# Altium PCB LeVentilateur.PcbDoc (part 2 of 2)
Units mm, origin at the board's own origin, x right, y up, seen from the top; angles counter-clockwise.
Board outline 207.39 x 152.65 mm, 2 copper layers (Top Layer, Bottom Layer); 178 components, 121 nets, 579 pads, 104 vias.
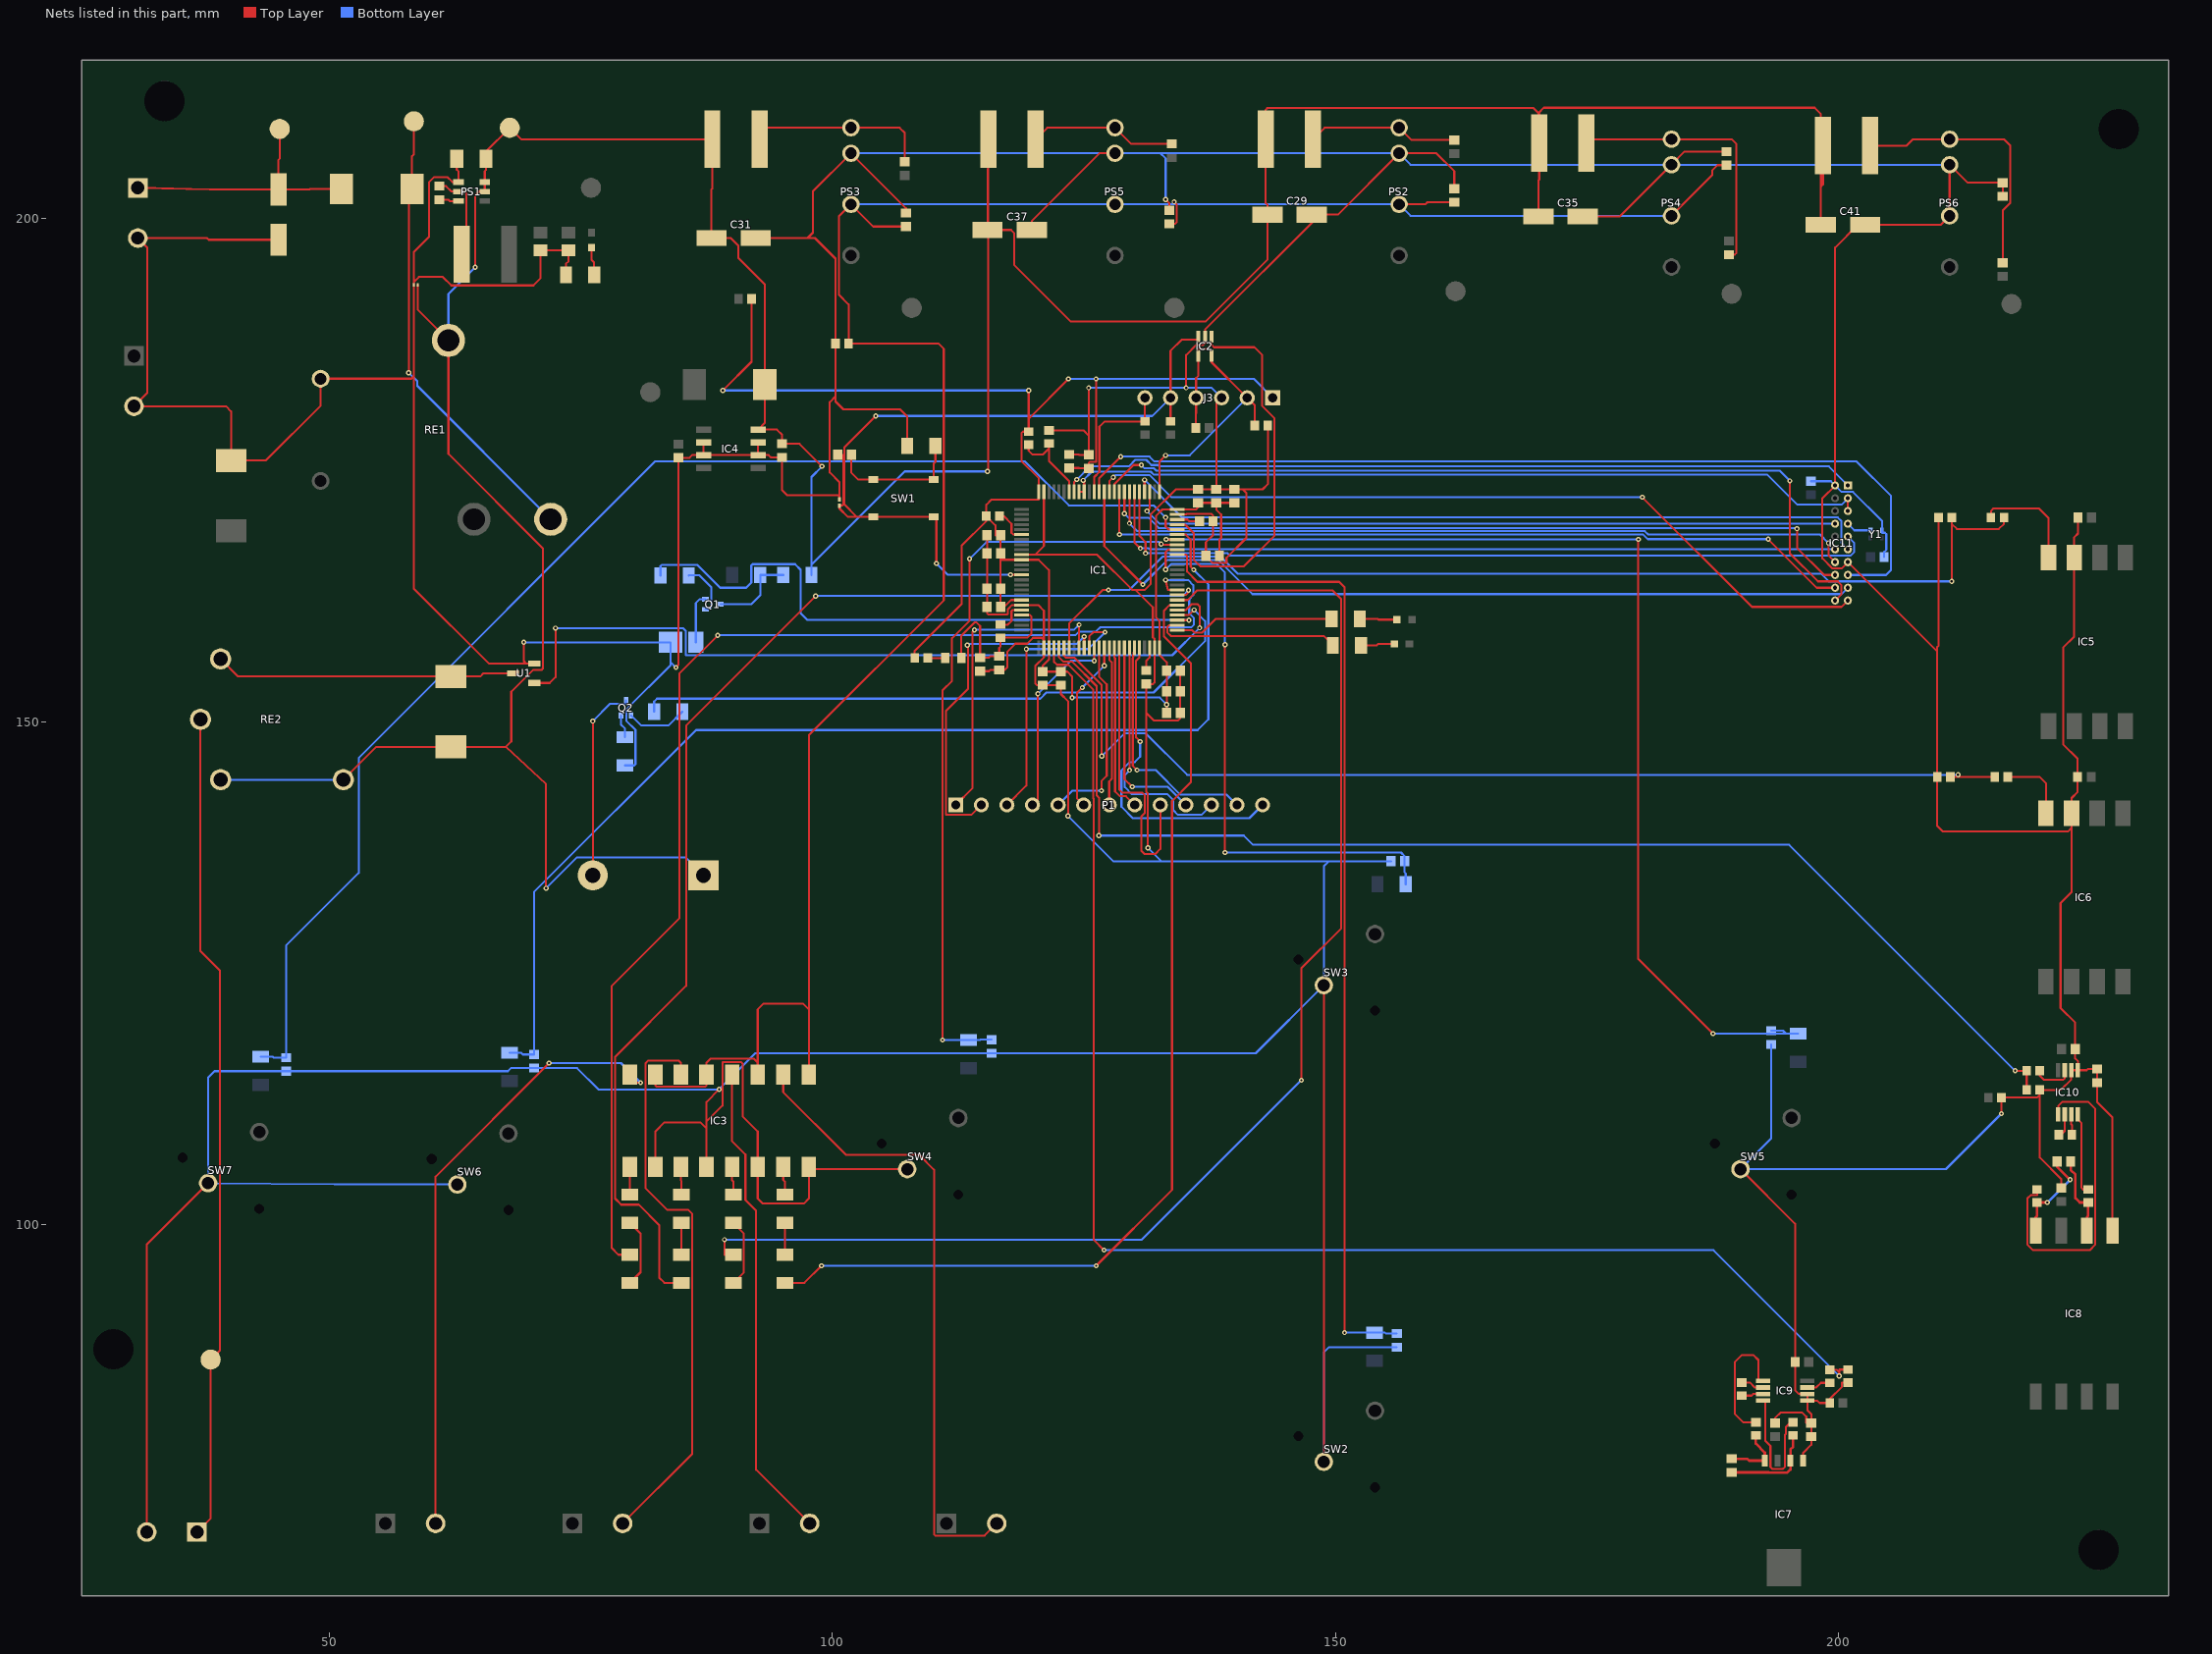
[diagram p2: the nets of this part, all layers, seen from the top]

## Via types
v1: diameter 0.508, hole 0.229, Top Layer to Bottom Layer, 104 vias

## Nets (pads, with @x,y where several pads share a name; then routed paths per layer and width w, separated by ;. In a path a pad name is that pad's centre, name@x,y a point inside that pad or via, vN(x,y) a via of type N, cw(c..) or ccw(c..) an arc to the next point about the centre after c; other vN are vias at no path point) (continued)
COM: C2.2 C3.1 C4.1 C5.1 C6.2 C7.2 C8.2 C9.2 C10.2 C11.2 C12.2 C13.2 C14.2 C15.2 C16.2 C17.2 C18.2 C19.2 C20.2 C21.2 C22.2 C23.1 C25.2 C26.2 C29.2 C30.1 C31.2 C33.1 C35.2 C36.1 C37.2 C38.1 C39.2 C41.2 C42.1 C42.2 C43.2 C44.2 C45.2 C46.1 C48.1 C48.2 C49.1 C51.1 C52.1 C52.2 C53.2 C54.2 C55.2 C56.2 C57.2 C58.2 C59.2 C60.2 D2.2 D3.2 D4.2 IC1.10 IC1.20 IC1.27 IC1.49 IC1.74 IC1.99 IC2.2 IC3.2 IC3.4 IC3.6 IC3.8 IC4.2 IC4.3 IC4.6 IC4.7 IC5.3 IC6.3 IC7.1 IC8.1 IC9.5 IC9.6 IC10.5 IC10.6 IC11.7 IC11.20 J1.2 J2.2 J3.3 J4.2 LED4.2 PS1.4 PS2.2 PS3.2 PS4.2 PS5.2 PS6.2 PS6.4 R1.1 R3.1 R17.2 R26.1 R27.1 R29.1 R31.1 R36.1 R37.2 R42.1 R43.2 R44.1 RE1.2 SW2.3 SW3.3 SW4.3 SW5.3 SW6.3 SW7.3 U1.2 Y1.2 | length 1335.9
  Top Layer w0.203: J4.2@31.877,69.469 31.877,98.044 SW7.3@37.973,104.14 ; C2.2@44.958,197.906 38.038,197.906 37.871,198.073 30.988,198.073 31.928,197.133 31.928,182.677 J2.2@30.607,181.356 39.751,181.356 40.259,180.848 D4.2@40.259,175.966 43.687,175.966 49.153,181.432 RE1.2@49.153,184.097 58.166,184.097 58.42,184.351 ; C3.1@62.685,205.946 62.685,204.879 62.865,204.699 PS1.4@62.865,203.642 62.23,203.642 61.732,204.14 60.452,204.14 59.919,203.606 59.919,198.171 58.42,196.672 58.42,193.7 ; v1(69.337,157.898) 69.337,156.027 69.596,155.768 ; U1.2@70.392,155.768 69.596,155.768 ; R1.1@73.53,194.437 73.53,195.504 73.787,195.761 C5.1@73.787,196.864 C4.1@70.993,196.864 70.993,194.056 70.307,193.37 62.128,193.37 61.29,194.208 58.928,194.208 58.42,193.7 ; IC3.2@82.423,105.755 82.423,109.296 83.312,110.185 86.868,110.185 87.503,109.55 ; v1(84.455,155.397) 84.709,155.651 C39.2@84.709,176.236 85.801,176.236 86.066,176.501 IC4.3@87.204,176.501 ; IC4.2@87.204,177.771 IC4.3@87.204,176.501 ; IC3.4@87.503,105.755 87.503,109.55 ; v1(88.748,113.462) 87.503,112.217 87.503,110.287 ; C31.2@92.389,198.073 97.536,198.073 ; IC4.7@92.628,177.771 IC4.6@92.628,176.501 ; IC3.8@97.663,105.755 IC3.8@97.663,105.537 ; D3.2@100.711,172.106 100.711,172.393 ; C33.1@107.315,200.573 107.315,201.041 PS3.2@101.854,206.502 98.069,202.717 98.069,198.606 97.536,198.073 ; R44.1@107.439,177.419 107.439,180.34 106.728,181.051 101.092,181.051 100.315,181.828 100.315,182.332 ; SW4.3@107.442,105.537 IC3.8@97.663,105.537 ; C25.2@114.681,155.03 115.57,155.03 115.694,155.154 C26.2@116.586,155.154 117.105,155.154 117.399,155.448 117.399,156.972 118.186,157.759 119.355,157.759 119.939,158.344 120.796,158.344 121.024,158.115 ; C12.2@115.37,168.529 C7.2@115.37,166.725 C8.2@115.37,163.213 C13.2@115.37,161.408 115.37,160.782 115.497,160.655 117.348,160.655 117.453,160.76 117.453,161.197 117.856,161.6 IC1.20@118.787,161.6 120.461,161.6 121.024,161.036 121.024,158.115 ; IC1.10@118.787,166.6 120.142,166.6 ; C37.2@119.821,198.882 119.821,199.771 126.552,206.502 PS5.2@128.09,206.502 ; IC1.99@121.024,172.838 121.024,167.483 120.142,166.6 ; R3.1@121.539,178.958 124.968,178.958 125.476,178.45 ; v1(123.419,140.64) 123.419,152.045 122.708,152.756 C9.2@122.708,153.63 C14.2@120.904,153.63 120.334,153.63 120.167,153.797 120.167,155.55 121.024,156.407 IC1.27@121.024,157.362 121.024,158.115 ; C6.2@123.545,176.57 124.485,176.57 124.525,176.53 C21.2@125.476,176.53 125.476,178.45 ; v1(125.476,183.185) 125.476,178.45 ; v1(131.357,137.477) 131.357,142.875 131.191,143.041 131.191,150.876 ; v1(133.121,201.905) 133.477,201.549 C38.1@133.477,200.827 ; IC1.74@134.263,170.6 135.167,170.6 135.23,170.663 137.668,170.663 137.835,170.496 C11.2@137.835,169.926 137.835,168.558 137.12,167.843 C22.2@137.12,166.497 137.12,166.443 137.795,165.768 139.167,165.768 139.167,166.294 141.148,168.275 141.148,172.72 140.763,173.105 ; C10.2@134.573,155.067 C15.2@134.573,153.035 C18.2@134.573,150.876 134.573,150.346 134.366,150.139 131.928,150.139 131.191,150.876 ; v1(135.153,183.185) 135.153,186.456 136.144,187.446 136.83,187.446 137.033,187.65 IC2.2@137.033,188.275 137.033,188.976 C29.2@148.463,200.406 ; J3.3@138.684,182.196 138.15,181.662 C19.2@138.15,173.105 ; R26.1@143.271,179.451 143.271,173.628 142.748,173.105 140.763,173.105 ; C29.2@147.634,200.406 C29.2@148.463,200.406 ; SW2.3@148.844,76.454 SW3.3@148.844,123.825 ; C30.1@161.798,202.986 161.798,204.724 160.02,206.502 PS2.2@156.319,206.502 150.223,200.406 C29.2@148.463,200.406 ; C35.2@174.558,200.226 178.255,200.226 PS4.2@183.388,205.359 184.698,206.669 C36.1@188.849,206.669 ; SW5.3@190.244,105.537 195.667,100.114 C46.1@195.667,86.36 195.667,83.566 196.052,83.181 IC9.6@196.891,83.181 IC9.5@196.891,82.531 ; C45.2@193.668,80.304 193.668,80.772 194.259,81.363 196.342,81.363 196.774,80.931 196.774,80.304 C48.2@197.277,80.304 ; IC7.1@196.469,76.562 196.469,77.343 197.277,78.151 C48.1@197.277,78.954 C48.2@197.277,80.304 ; R37.2@200.914,84.313 200.33,84.313 200.33,83.922 199.121,82.713 R36.1@199.121,82.296 198.101,82.296 197.866,82.531 IC9.5@196.891,82.531 ; R29.1@209.931,170.307 209.931,157.571 209.789,157.429 209.789,156.987 ; v1(216.169,111.049) R42.1@216.169,112.649 219.71,112.649 219.979,112.918 ; C42.1@216.301,202.218 C42.2@216.301,203.568 212.813,203.568 PS6.2@211.021,205.359 PS6.4@211.021,200.279 210.132,199.39 C41.2@202.625,199.39 201.905,199.39 199.644,197.129 IC11.20@199.644,173.482 198.38,172.218 198.38,166.237 199.39,165.227 200.279,165.227 IC11.7@200.914,165.862 209.789,156.987 ; C51.1@222.123,103.672 222.123,104.546 219.979,106.69 219.979,112.918 ; C43.2@223.774,170.307 223.774,168.707 223.393,168.326 IC5.3@223.393,166.323 223.393,158.471 222.301,157.378 222.301,147.752 223.734,146.319 C44.2@223.734,144.526 223.734,143.013 223.139,142.418 IC6.3@223.139,140.923 223.139,139.446 ; IC8.1@227.203,99.436 227.203,110.668 225.679,112.192 C52.2@225.679,114.133 C52.1@225.679,115.483 224.75,115.483 224.638,115.37 IC10.5@223.758,115.37 ; 58.42,184.351 D2.2@58.42,193.421 58.42,193.7 ; 58.42,184.351 58.42,163.236 65.888,155.768 69.596,155.768 ; IC4.3@87.204,176.501 IC4.6@92.628,176.501 ; 87.503,109.55 87.503,110.287 ; 87.503,110.287 89.078,111.862 89.078,116.184 90.932,116.184 91.084,116.032 91.084,110.769 92.583,109.271 IC3.6@92.583,105.755 92.583,102.616 93.091,102.108 97.155,102.108 97.663,102.616 IC3.8@97.663,105.537 ; IC4.6@92.628,176.501 93.675,176.501 93.9,176.276 C17.2@94.996,176.276 94.996,173.028 95.504,172.52 100.584,172.52 100.711,172.393 ; 97.536,198.073 98.273,198.073 100.315,196.031 R27.1@100.315,187.579 100.315,182.332 ; 100.315,182.332 99.746,181.762 99.746,174.777 100.711,173.812 100.711,172.393 ; 120.142,166.6 126.313,166.6 129.794,163.119 130.1,163.119 ; 130.1,163.119 131.064,163.119 131.623,163.678 131.623,170.586 134.142,173.105 C16.2@136.345,173.105 C19.2@138.15,173.105 ; 130.1,163.119 131.851,161.368 131.851,158.394 132.024,158.221 IC1.49@132.024,157.362 132.024,153.924 131.854,153.754 C23.1@131.191,153.754 131.191,150.876 ; C19.2@138.15,173.105 139.04,173.105 C20.2@139.954,173.105 140.763,173.105 ; IC9.5@196.891,82.531 196.891,81.589 197.277,81.204 C48.2@197.277,80.304 ; 209.789,156.987 R31.1@209.789,144.526 209.789,139.639 210.312,139.116 222.809,139.116 223.139,139.446 ; 219.979,112.918 R43.2@219.979,113.411 222.067,113.411 223.108,114.452 IC10.6@223.108,115.37 IC10.5@223.758,115.37 ; 223.139,139.446 223.139,133.071 222.047,131.978 222.047,121.542 223.498,120.091 C49.1@223.498,117.475 223.498,116.541 223.758,116.281 IC10.5@223.758,115.37
  Bottom Layer w0.203: SW6.3@62.738,104.013 50.495,104.013 SW7.3@37.973,104.14 37.973,114.641 38.608,115.276 C60.2@45.72,115.276 67.753,115.276 68.055,115.578 C59.2@70.358,115.578 74.643,115.578 76.759,113.462 v1(88.748,113.462) 92.34,117.054 C57.2@115.824,117.054 142.073,117.054 SW3.3@148.844,123.825 148.844,135.636 149.352,136.144 ; v1(69.337,157.898) LED4.2@83.913,157.898 83.913,155.939 ; R17.2@79.375,145.666 80.312,145.666 80.442,145.796 80.442,149.2 79.527,150.114 79.527,151.206 83.913,155.592 83.913,155.939 ; v1(84.455,155.397) 83.913,155.939 ; PS3.2@101.854,206.502 PS5.2@128.09,206.502 132.613,206.502 ; v1(123.419,140.64) 127.914,136.144 132.69,136.144 ; v1(125.476,183.185) v1(135.153,183.185) 137.695,183.185 J3.3@138.684,182.196 ; v1(131.357,137.477) 132.69,136.144 ; v1(133.121,201.905) 133.121,205.994 132.613,206.502 ; SW2.3@148.844,76.454 148.844,87.336 149.352,87.844 C55.2@156.083,87.844 ; C56.2@155.517,136.144 149.352,136.144 ; C58.2@193.294,117.943 193.294,108.587 SW5.3@190.244,105.537 210.657,105.537 v1(216.169,111.049) ; C54.2@197.231,173.903 199.223,173.903 IC11.20@199.644,173.482 200.279,172.847 201.412,172.847 204.308,169.951 Y1.2@204.308,169.031 204.308,168.783 204.597,168.783 204.724,168.656 204.724,167.092 204.51,166.878 C53.2@204.51,166.37 ; PS6.2@211.021,205.359 PS4.2@183.388,205.359 157.462,205.359 PS2.2@156.319,206.502 132.613,206.502 ; 132.69,136.144 149.352,136.144
COM_ISO: C30.2 C33.2 C36.2 C38.2 IC3.9 IC3.11 IC3.13 IC3.15 PS2.4 PS3.4 PS4.4 PS5.4 R27.2 | length 233.1
  Top Layer w0.203: IC3.15@82.423,114.955 82.423,113.843 82.55,113.716 87.376,113.716 87.503,113.843 IC3.13@87.503,114.955 87.503,116.129 87.888,116.514 92.198,116.514 92.583,116.129 ; IC3.11@92.583,114.955 92.583,116.129 ; IC3.9@97.663,114.955 97.663,121.412 ; C33.2@107.315,199.223 104.053,199.223 PS3.4@101.854,201.422 100.66,200.228 100.66,192.43 101.615,191.476 R27.2@101.615,187.579 110.566,187.579 111.074,187.071 111.074,162.07 97.663,148.659 97.663,121.412 ; C38.2@133.477,199.477 134.047,199.477 134.214,199.644 134.214,201.422 v1(133.96,201.676) ; PS2.4@156.319,201.422 158.928,201.422 159.142,201.636 C30.2@161.798,201.636 ; PS4.4@183.388,200.279 187.427,204.318 187.427,204.786 187.96,205.319 C36.2@188.849,205.319 ; 92.583,116.129 92.583,121.412 93.167,121.996 97.079,121.996 97.663,121.412
  Bottom Layer w0.203: PS3.4@101.854,201.422 PS5.4@128.09,201.422 133.706,201.422 ; v1(133.96,201.676) 133.706,201.422 ; PS4.4@183.388,200.279 157.462,200.279 PS2.4@156.319,201.422 133.706,201.422
LP_VOUT_N: C47.2 IC7.4 R32.2 | length 6.3
  Top Layer w0.254: C47.2@189.357,76.748 190.906,76.748 191.092,76.562 IC7.4@192.659,76.562 192.659,77.368 191.77,78.257 R32.2@191.77,79.079
LP_VOUT_P: C47.1 IC7.2 R35.2 | length 9.5
  Top Layer w0.254: C47.1@189.357,75.398 193.025,75.398 193.045,75.378 194.885,75.378 195.199,75.692 IC7.2@195.199,76.562 195.199,77.673 195.472,77.946 R35.2@195.472,79.079
NetB1_2: B1.2 Q2.3 | length 19.7
  Top Layer w0.203: B1.2@76.2,134.747 v1(76.2,150.063)
  Bottom Layer w0.203: v1(76.2,150.063) 77.927,151.79 79.502,151.79 Q2.3@79.502,152.136
NetC1_1: C1.1 PS1.6 | length 2
  Top Layer w0.203: C1.1@60.96,201.89 61.824,201.89 61.972,201.742 PS1.6@62.865,201.742
NetC1_2: C1.2 L1.1 PS1.5 | length 9.5
  Top Layer w0.203: C1.2@60.96,203.24 61.62,203.24 62.168,202.692 PS1.5@62.865,202.692 63.5,202.692 63.627,202.565 63.627,199.187 63.182,199.187 L1.1@63.182,196.469
NetC2_1: C2.1 D1.2 J1.1 TP1.1 | length 26.3
  Top Layer w0.203: J1.1@30.988,203.073 38.14,202.906 C2.1@44.958,202.906 ; TP1.1@45.085,208.915 45.085,205.969 44.958,205.842 C2.1@44.958,202.906 ; D1.2@51.237,202.946 48.097,202.946 48.057,202.906 C2.1@44.958,202.906
NetC11_1: C11.1 IC1.73 | length 2.3
  Top Layer w0.203: IC1.73@134.263,170.1 135.28,170.1 135.454,169.926 C11.1@136.485,169.926
NetC23_2: C23.2 IC1.48 | length 2.4
  Top Layer w0.203: C23.2@131.191,155.104 131.191,156.058 131.525,156.391 IC1.48@131.525,157.362
NetC24_1: C24.1 R44.2 SW1.1 SW1.2 | length 13.7
  Top Layer w0.203: C24.1@101.894,176.53 101.894,174.752 102.584,174.062 SW1.1@104.061,174.062 SW1.2@110.061,174.062 110.061,175.641 110.239,175.819 R44.2@110.239,177.419
NetC25_1: C25.1 C26.1 IC1.22 L2.2 R6.1 | length 17.7
  Top Layer w0.203: L2.2@112.814,156.337 112.814,158.559 114.122,159.868 114.325,159.868 114.681,159.512 C25.1@114.681,156.38 115.57,156.38 115.694,156.504 C26.1@116.586,156.504 116.586,157.353 116.713,157.48 R6.1@116.713,158.354 119.38,158.354 119.761,158.735 119.761,160.473 119.634,160.6 IC1.22@118.787,160.6
NetC27_1: C27.1 L3.2 PS2.1 | length 15
  Top Layer w0.203: L3.2@147.765,207.899 148.908,209.042 PS2.1@156.319,209.042 157.549,207.812 C27.1@161.798,207.812
NetC28_1: C28.1 L4.2 PS3.1 | length 18.6
  Top Layer w0.203: L4.2@92.774,207.899 92.774,209.042 PS3.1@101.854,209.042 106.68,209.042 107.188,208.534 C28.1@107.188,205.653
NetC32_1: C32.1 L5.2 PS4.1 | length 27.1
  Top Layer w0.203: L5.2@174.943,207.518 174.943,207.899 PS4.1@183.388,207.899 189.357,207.899 189.84,207.416 189.84,196.596 189.673,196.429 C32.1@189.103,196.429
NetC34_1: C34.1 L6.2 PS5.1 | length 14.7
  Top Layer w0.203: L6.2@120.206,207.899 121.349,209.042 PS5.1@128.09,209.042 129.701,207.431 C34.1@133.731,207.431
NetC40_1: C40.1 L7.2 PS6.1 | length 26.4
  Top Layer w0.203: L7.2@203.137,207.264 206.756,207.264 207.391,207.899 PS6.1@211.021,207.899 216.408,207.899 217.043,207.264 217.043,201.549 216.301,200.807 C40.1@216.301,195.62
NetC55_1: C55.1 IC1.66 R45.1 | length 98.2
  Top Layer w0.203: IC1.66@134.263,166.6 135.128,166.6 135.255,166.473 135.255,164.913 136.262,163.906 150.368,163.906 150.901,163.373 v1(150.901,89.284)
  Bottom Layer w0.203: v1(150.901,89.284) R45.1@153.879,89.284 154.915,89.284 155.005,89.194 C55.1@156.083,89.194
NetC56_1: C56.1 IC1.67 R46.1 | length 58.1
  Top Layer w0.203: v1(133.121,165.125) 133.121,166.871 133.35,167.1 IC1.67@134.263,167.1 ; v1(139.014,137.008) v1(139.014,157.658)
  Bottom Layer w0.203: v1(133.121,165.125) 133.693,165.697 138.163,165.697 139.014,164.846 v1(139.014,157.658) ; v1(139.014,137.008) 156.512,137.008 156.867,136.652 C56.1@156.867,136.144 156.867,135.033 156.975,134.925 R46.1@156.975,133.858
NetC57_1: C57.1 IC1.68 R47.1 | length 75.3
  Top Layer w0.203: v1(110.947,118.367) 110.947,153.111 111.887,154.051 111.887,158.293 113.64,160.045 v1(113.64,166.192) ; v1(132.664,167.665) 132.73,167.6 IC1.68@134.263,167.6
  Bottom Layer w0.203: v1(110.947,118.367) R47.1@113.538,118.367 114.656,118.367 114.693,118.404 C57.1@115.824,118.404 ; v1(113.64,166.192) 115.316,167.869 132.461,167.869 v1(132.664,167.665)
NetC58_1: C58.1 IC1.69 R48.1 | length 110.2
  Top Layer w0.203: v1(133.172,168.123) 133.195,168.1 IC1.69@134.263,168.1 ; v1(180.086,168.123) 180.086,126.416 v1(187.5,119.002)
  Bottom Layer w0.203: v1(133.172,168.123) v1(180.086,168.123) ; v1(187.5,119.002) 194.753,119.002 ; C58.1@193.294,119.293 194.462,119.293 194.753,119.002 ; R48.1@195.961,119.002 194.753,119.002
NetC59_1: C59.1 IC1.70 R49.1 | length 112.9
  Top Layer w0.203: IC1.70@134.263,168.6 135.128,168.6 135.611,168.117 135.611,165.405 v1(135.915,165.1)
  Bottom Layer w0.203: R49.1@67.945,117.105 69.063,117.105 69.24,116.928 C59.1@70.358,116.928 70.358,133.071 86.462,149.174 136.296,149.174 137.363,150.241 137.363,163.652 v1(135.915,165.1)
NetC60_1: C60.1 IC1.71 R50.1 | length 132.2
  Top Layer w0.203: v1(133.121,170.307) 133.121,169.418 133.439,169.1 IC1.71@134.263,169.1
  Bottom Layer w0.203: R50.1@43.18,116.716 44.399,116.716 44.489,116.626 C60.1@45.72,116.626 45.72,127.762 52.934,134.976 52.934,146.406 82.403,175.875 119.12,175.875 123.495,171.501 131.928,171.501 v1(133.121,170.307)
NetD5_2: D5.2 RE2.5 U1.3 | length 29.9
  Top Layer w0.203: RE2.5@39.211,156.241 40.949,154.503 D5.2@62.103,154.503 65.024,154.503 65.334,154.813 U1.3@68.292,154.813
NetIC1_6: IC1.6 R4.2 | length 3.5
  Top Layer w0.203: R4.2@116.601,170.434 117.043,170.434 117.805,169.672 117.805,168.778 117.983,168.6 IC1.6@118.787,168.6
NetIC1_21: IC1.21 R6.2 | length 3.2
  Top Layer w0.203: R6.2@116.713,159.654 117.439,159.654 117.805,160.02 117.805,160.985 117.92,161.1 IC1.21@118.787,161.1
NetIC1_29: IC1.29 R34.2 R37.1 | length 143.4
  Top Layer w0.203: IC1.29@122.024,157.362 122.024,155.956 122.322,155.659 123.444,155.659 125.933,153.169 125.933,142.367 125.959,142.342 125.959,98.527 v1(127,97.485) ; R34.2@199.11,85.598 199.796,85.598 200.05,85.344 ; v1(200.05,84.988) 200.05,85.344 ; R37.1@200.914,85.613 200.05,85.613 200.05,85.344
  Bottom Layer w0.203: v1(127,97.485) 187.554,97.485 v1(200.05,84.988)
NetIC1_30: IC1.30 R40.2 R43.1 | length 124.6
  Top Layer w0.203: IC1.30@122.525,157.362 122.525,156.4 122.936,155.989 123.818,155.989 126.263,153.543 126.263,142.672 126.492,142.443 v1(126.492,138.684) ; v1(217.526,115.316) R40.2@218.679,115.316 R43.1@218.679,113.411
  Bottom Layer w0.203: v1(126.492,138.684) 140.894,138.684 141.808,137.77 195.072,137.77 v1(217.526,115.316)
NetIC1_31: IC1.31 R30.1 R31.2 | length 105.3
  Top Layer w0.203: IC1.31@123.024,157.362 123.024,156.553 123.19,156.388 124.023,156.388 126.771,153.64 v1(126.771,146.583) ; R31.2@211.089,144.526 211.658,144.526 ; v1(211.861,144.729) 211.658,144.526 ; R30.1@215.504,144.526 211.658,144.526
  Bottom Layer w0.203: v1(126.771,146.583) 129.032,148.844 131.14,148.844 135.255,144.729 v1(211.861,144.729)
NetIC1_32: IC1.32 R28.1 R29.2 | length 106.5
  Top Layer w0.203: IC1.32@123.525,157.362 123.525,159.763 126.855,163.093 v1(127.432,163.093) ; v1(211.231,163.957) 211.231,169.672 ; R29.2@211.231,170.307 211.231,169.672 ; R28.1@216.423,170.307 216.423,169.672 215.915,169.164 211.739,169.164 211.231,169.672
  Bottom Layer w0.203: v1(127.432,163.093) 129.489,163.093 132.817,166.421 138.57,166.421 140.272,164.719 198.247,164.719 199.009,163.957 v1(211.231,163.957)
NetIC1_34: IC1.34 P1.1 | length 31.1
  Top Layer w0.203: P1.1@112.268,141.732 113.944,143.408 113.944,158.953 v1(114.122,159.131) ; IC1.34@124.525,157.362 v1(124.525,159.639)
  Bottom Layer w0.203: v1(114.122,159.131) 124.017,159.131 v1(124.525,159.639)
NetIC1_35: IC1.35 P1.2 | length 34.8
  Top Layer w0.203: v1(113.411,157.607) 113.487,157.531 113.487,153.264 111.277,151.054 111.277,140.741 113.817,140.741 P1.2@114.808,141.732 ; v1(125.019,158.471) 125.024,158.465 IC1.35@125.024,157.362
  Bottom Layer w0.203: v1(113.411,157.607) 113.536,157.732 124.28,157.732 v1(125.019,158.471)
NetIC1_36: IC1.36 P1.3 | length 27.7
  Top Layer w0.203: P1.3@117.348,141.732 119.278,143.662 v1(119.278,157.226) ; IC1.36@125.525,157.362 125.525,158.496 125.931,158.902 v1(127.102,158.902)
  Bottom Layer w0.203: v1(119.278,157.226) 125.425,157.226 v1(127.102,158.902)
NetIC1_37: IC1.37 P1.4 | length 19.5
  Top Layer w0.203: P1.4@119.888,141.732 120.421,142.265 v1(120.421,152.781) ; v1(126.024,156.058) IC1.37@126.024,157.362
  Bottom Layer w0.203: v1(120.421,152.781) 123.698,156.058 v1(126.024,156.058)
NetIC1_38: IC1.38 P1.5 | length 19.6
  Top Layer w0.203: IC1.38@126.525,157.362 126.525,154.458 127.268,153.714 127.268,144.628 126.746,144.105 v1(126.746,143.154)
  Bottom Layer w0.203: P1.5@122.428,141.732 123.85,143.154 v1(126.746,143.154)
NetIC1_39: IC1.39 P1.6 | length 17
  Top Layer w0.203: v1(124.841,153.391) 124.308,152.857 124.308,142.392 P1.6@124.968,141.732 ; v1(127.024,155.574) IC1.39@127.024,157.362
  Bottom Layer w0.203: v1(124.841,153.391) v1(127.024,155.574)
NetIC1_40: IC1.40 P1.7 | length 15.8
  Top Layer w0.203: P1.7@127.508,141.732 127.508,144.066 127.762,144.32 127.762,155.922 127.525,156.159 IC1.40@127.525,157.362
NetIC1_41: IC1.41 P1.8 | length 16.8
  Top Layer w0.203: IC1.41@128.024,157.362 128.024,156.389 128.092,156.322 128.092,143.078 128.566,142.605 129.175,142.605 P1.8@130.048,141.732
NetIC1_42: IC1.42 P1.9 | length 29.1
  Top Layer w0.203: IC1.42@128.525,157.362 128.525,143.23 128.82,142.935 130.814,142.935 131.027,142.723 131.027,140.907 130.708,140.589 130.708,137.16 131.013,136.855 132.08,136.855 132.588,137.363 P1.9@132.588,141.732
NetIC1_43: IC1.43 P1.10 | length 20.2
  Top Layer w0.203: IC1.43@129.024,157.362 129.024,144.305 v1(129.794,143.535)
  Bottom Layer w0.203: v1(129.794,143.535) 133.325,143.535 P1.10@135.128,141.732
NetIC1_44: IC1.44 P1.11 | length 24.8
  Top Layer w0.203: IC1.44@129.525,157.362 129.525,145.202 v1(129.54,145.186)
  Bottom Layer w0.203: v1(129.54,145.186) 129.057,144.704 129.057,143.51 129.769,142.799 133.299,142.799 133.858,142.24 133.858,141.249 134.354,140.753 136.689,140.753 P1.11@137.668,141.732
NetIC1_45: IC1.45 P1.12 | length 23.7
  Top Layer w0.203: IC1.45@130.024,157.362 129.855,156.218 129.855,145.618 v1(130.277,145.196)
  Bottom Layer w0.203: v1(130.277,145.196) 132.131,145.196 134.579,142.748 139.192,142.748 P1.12@140.208,141.732
NetIC1_46: IC1.46 P1.13 | length 32.2
  Top Layer w0.203: IC1.46@130.525,157.362 130.525,156.413 130.185,156.074 130.185,148.428 v1(130.581,148.031)
  Bottom Layer w0.203: v1(130.581,148.031) 130.581,146.533 130.048,145.999 129.565,145.999 128.727,145.161 128.727,141.554 129.858,140.423 141.439,140.423 P1.13@142.748,141.732
NetIC1_51: IC1.51 R12.1 | length 16
  Top Layer w0.203: IC1.51@134.263,159.1 135.763,159.1 136.011,158.852 136.734,158.852 138.105,160.223 149.603,160.223 R12.1@149.603,160.211
NetIC1_52: IC1.52 R11.1 | length 18.6
  Top Layer w0.203: IC1.52@134.263,159.6 133.477,159.6 133.274,159.397 133.274,158.877 133.629,158.521 148.816,158.521 R11.1@149.73,157.607
NetIC1_53: IC1.53 R15.2 | length 62.4
  Top Layer w0.203: IC1.53@134.263,160.1 135.429,160.1 v1(135.433,160.096)
  Bottom Layer w0.203: R15.2@82.928,164.543 82.928,165.481 83.055,165.608 86.563,165.608 88.849,163.322 91.44,163.322 91.948,163.83 91.948,165.532 92.075,165.659 96.291,165.659 96.85,165.1 96.85,160.782 97.511,160.122 135.407,160.122 v1(135.433,160.096)
NetIC1_54: IC1.54 R16.2 | length 63.7
  Top Layer w0.203: IC1.54@134.263,160.6 135.429,160.6 v1(135.941,161.112)
  Bottom Layer w0.203: R16.2@82.293,151.003 82.293,152.016 82.575,152.298 120.674,152.298 121.277,152.901 131.92,152.901 137.033,158.013 137.033,160.02 v1(135.941,161.112)
NetIC1_55: IC1.55 U1.1 | length 79.6
  Top Layer w0.203: U1.1@70.392,153.858 71.918,153.858 72.492,154.432 v1(72.492,159.309) ; IC1.55@134.263,161.1 135.128,161.1 135.732,161.704 136.263,161.704 136.5,161.468 v1(136.5,159.334)
  Bottom Layer w0.203: v1(72.492,159.309) 85.141,159.309 85.446,159.004 85.446,156.616 133.782,156.616 v1(136.5,159.334)
NetIC1_56: IC1.56 R25.1 | length 103.3
  Top Layer w0.203: R25.1@95.291,94.231 97.228,94.231 v1(98.933,95.936) ; v1(126.213,95.936) 133.756,103.48 133.756,142.113 135.636,143.993 135.636,155.804 132.944,158.496 132.944,161.036 133.508,161.6 IC1.56@134.263,161.6
  Bottom Layer w0.203: v1(98.933,95.936) v1(126.213,95.936)
NetIC1_57: IC1.57 R23.1 | length 132.8
  Top Layer w0.203: v1(89.281,98.527) 89.281,97.031 R23.1@90.155,97.031 ; IC1.57@134.263,162.1 135.303,162.1 136.271,163.068 149.682,163.068 150.571,162.179 150.571,129.464 146.609,125.501 v1(146.609,114.376)
  Bottom Layer w0.203: v1(89.281,98.527) 130.759,98.527 v1(146.609,114.376)
NetIC1_58: IC1.58 R21.1 | length 120
  Top Layer w0.203: R21.1@85.019,94.231 83.312,94.231 82.804,94.739 82.804,99.974 80.772,102.006 79.019,102.006 78.41,102.616 78.41,116.688 85.471,123.749 85.471,149.631 v1(98.34,162.501) ; IC1.58@134.263,162.6 135.128,162.6 135.382,162.854 v1(135.382,163.068)
  Bottom Layer w0.203: v1(98.34,162.501) 134.815,162.501 v1(135.382,163.068)
NetIC1_59: IC1.59 R19.1 | length 124.3
  Top Layer w0.203: R19.1@79.883,97.031 78.74,97.031 78.08,97.691 78.08,123.749 84.785,130.454 84.785,154.768 v1(88.615,158.598) ; v1(133.121,164.084) 133.35,163.1 IC1.59@134.263,163.1
  Bottom Layer w0.203: v1(88.615,158.598) 124.156,158.598 124.525,158.967 126.191,158.967 126.609,159.385 135.661,159.385 135.936,159.66 135.936,160.304 135.458,160.782 135.458,162.179 135.865,162.585 135.865,163.576 135.357,164.084 v1(133.121,164.084)
NetIC1_78: IC1.78 IC11.17 | length 70.9
  Top Layer w0.203: v1(131.271,170.942) 131.525,171.196 IC1.78@131.525,172.838
  Bottom Layer w0.203: v1(131.271,170.942) 132.541,169.672 IC11.17@199.644,169.672
NetIC1_79: IC1.79 IC11.6 | length 75.2
  Top Layer w0.203: IC1.79@131.024,172.838 v1(131.024,174.041)
  Bottom Layer w0.203: v1(131.024,174.041) 134.758,170.307 199.898,170.307 200.279,169.926 200.279,167.767 IC11.6@200.914,167.132
NetIC1_80: IC1.80 IC11.5 | length 78.8
  Top Layer w0.203: IC1.80@130.525,172.838 130.525,168.464 131.12,167.869 v1(131.12,166.751)
  Bottom Layer w0.203: v1(131.12,166.751) 139.281,166.751 139.535,166.497 201.168,166.497 201.549,166.878 201.549,167.767 IC11.5@200.914,168.402
NetIC1_81: IC1.81 IC11.15 | length 74.9
  Top Layer w0.203: IC1.81@130.024,172.838 130.024,167.816 v1(130.607,167.234)
  Bottom Layer w0.203: v1(130.607,167.234) 131.42,167.234 131.521,167.132 IC11.15@199.644,167.132
NetIC1_82: IC1.82 IC11.14 | length 75.6
  Top Layer w0.203: v1(129.525,169.723) IC1.82@129.525,172.838 ; v1(198.984,167.767) 198.984,166.522 IC11.14@199.644,165.862
  Bottom Layer w0.203: v1(129.525,169.723) 130.312,168.935 180.746,168.935 181.051,168.631 198.12,168.631 v1(198.984,167.767)
NetIC1_83: IC1.83 IC11.13 | length 76.4
  Top Layer w0.203: v1(129.024,170.688) IC1.83@129.024,172.838 ; v1(195.859,169.189) 195.859,167.284 198.552,164.592 IC11.13@199.644,164.592
  Bottom Layer w0.203: v1(129.024,170.688) 129.431,170.282 131.42,170.282 132.436,169.266 195.783,169.266 v1(195.859,169.189)
NetIC1_84: IC1.84 IC11.12 | length 77.5
  Top Layer w0.203: v1(128.525,168.605) IC1.84@128.525,172.838 ; v1(192.989,168.148) 197.815,163.322 IC11.12@199.644,163.322
  Bottom Layer w0.203: v1(128.525,168.605) 180.569,168.605 181.026,168.148 v1(192.989,168.148)
NetIC1_85: IC1.85 IC11.11 | length 84.8
  Top Layer w0.203: IC1.85@128.024,172.838 128.024,173.609 129.929,175.514 v1(130.708,175.514) ; v1(195.148,173.939) 195.148,166.751 197.942,163.957 199.898,163.957 200.279,163.576 200.279,162.687 IC11.11@199.644,162.052
  Bottom Layer w0.203: v1(130.708,175.514) 131.039,175.184 131.968,175.184 132.197,174.955 194.132,174.955 v1(195.148,173.939)
NetIC1_86: IC1.86 IC11.10 | length 80.4
  Top Layer w0.203: IC1.86@127.525,172.838 127.525,173.905 v1(127.914,174.295) ; v1(180.492,172.314) 191.389,161.417 200.279,161.417 IC11.10@200.914,162.052
  Bottom Layer w0.203: v1(127.914,174.295) 128.143,174.523 131.496,174.523 133.706,172.314 v1(180.492,172.314)
NetIC1_87: IC1.87 IC11.9 | length 83.5
  Top Layer w0.203: IC1.87@127.024,172.838 127.024,167.463 v1(130.848,163.639)
  Bottom Layer w0.203: v1(130.848,163.639) 133.274,166.065 138.379,166.065 141.757,162.687 200.279,162.687 IC11.9@200.914,163.322
NetIC1_88: IC1.88 IC11.8 | length 94.4
  Top Layer w0.203: IC1.88@126.525,172.838 126.525,174.226 v1(128.651,176.352)
  Bottom Layer w0.203: v1(128.651,176.352) 131.521,176.352 132.004,175.87 201.778,175.87 205.207,172.441 205.207,165.1 204.699,164.592 IC11.8@200.914,164.592
NetIC1_91: IC1.91 IC1.92 IC11.2 IC11.3 | length 80.9
  Top Layer w0.203: IC1.92@124.525,172.838 IC1.91@125.024,172.838 125.024,173.883 v1(124.917,173.99) ; IC11.3@200.914,170.942 IC11.2@200.914,172.212
  Bottom Layer w0.203: v1(124.917,173.99) 125.781,174.854 131.638,174.854 131.943,174.549 192.913,174.549 195.885,171.577 200.279,171.577 IC11.2@200.914,172.212
NetIC1_93: IC1.93 IC11.1 | length 79.8
  Top Layer w0.203: IC1.93@124.024,172.838 124.024,173.812 v1(124.282,174.07)
  Bottom Layer w0.203: v1(124.282,174.07) 125.586,175.374 129.447,175.374 130.095,176.022 131.191,176.022 131.699,175.514 132.358,175.514 132.498,175.374 199.022,175.374 IC11.1@200.914,173.482
NetIC1_94: IC1.94 R2.1 R3.2 | length 8.7
  Top Layer w0.203: R2.1@119.507,177.531 119.507,176.936 119.888,176.555 120.904,176.555 121.539,177.19 ; R3.2@121.539,177.658 121.539,177.19 ; IC1.94@123.525,172.838 123.525,173.935 121.539,175.92 121.539,177.19
NetIC3_1: IC3.1 R18.2 | length 2.8
  Top Layer w0.203: R18.2@79.883,103 IC3.1@79.883,105.755
NetIC3_3: IC3.3 R20.2 | length 2.8
  Top Layer w0.203: IC3.3@84.963,105.755 84.963,104.399 85.019,104.343 R20.2@85.019,103
NetIC3_5: IC3.5 R22.2 | length 2.8
  Top Layer w0.203: IC3.5@90.043,105.755 90.043,104.43 90.155,104.318 R22.2@90.155,103
NetIC3_7: IC3.7 R24.2 | length 2.8
  Top Layer w0.203: IC3.7@95.123,105.755 95.123,104.46 95.291,104.292 R24.2@95.291,103
NetIC3_10: IC3.10 J12.2 | length 63
  Top Layer w0.203: IC3.10@95.123,114.955 95.123,113.182 101.346,106.959 108.636,106.959 110.109,105.486 110.109,69.24 110.236,69.113 115.116,69.113 J12.2@116.332,70.329
NetIC3_12: IC3.12 J11.2 | length 47.8
  Top Layer w0.203: IC3.12@90.043,114.955 90.043,108.306 91.364,106.985 91.364,102.464 92.431,101.397 92.431,75.646 J11.2@97.748,70.329
NetIC3_14: IC3.14 J10.2 | length 56.6
  Top Layer w0.203: J10.2@79.163,70.329 86.081,77.246 86.081,101.092 85.7,101.473 83.617,101.473 81.458,103.632 81.458,116.078 81.712,116.332 84.709,116.332 84.963,116.078 IC3.14@84.963,114.955
NetIC3_16: IC3.16 J9.2 | length 62.2
  Top Layer w0.203: J9.2@60.579,70.329 60.579,104.8 v1(71.857,116.078) ; IC3.16@79.883,114.955 79.883,114.122 v1(80.95,114.122)
  Bottom Layer w0.203: v1(71.857,116.078) 78.994,116.078 v1(80.95,114.122)
NetIC5_4: IC5.4 R28.2 | length 10.8
  Top Layer w0.203: R28.2@215.123,170.307 215.123,170.942 215.377,171.196 219.913,171.196 220.853,170.256 IC5.4@220.853,166.323
NetIC6_4: IC6.4 R30.2 | length 7
  Top Layer w0.203: R30.2@216.804,144.526 219.964,144.526 220.599,143.891 IC6.4@220.599,140.923
NetIC9_1: IC9.1 R32.1 | length 13
  Top Layer w0.203: R32.1@191.77,80.379 190.5,80.379 189.662,81.217 189.662,86.36 190.373,87.071 191.516,87.071 192.024,86.563 192.024,84.481 IC9.1@192.491,84.481
NetIC9_2: IC9.2 R33.2 | length 2.3
  Top Layer w0.203: R33.2@190.373,84.328 191.16,84.328 191.658,83.831 IC9.2@192.491,83.831
NetIC9_3: IC9.3 R33.1 | length 2.2
  Top Layer w0.203: R33.1@190.373,83.028 191.338,83.028 191.491,83.181 IC9.3@192.491,83.181
NetIC9_4: IC9.4 R35.1 | length 13.5
  Top Layer w0.203: IC9.4@192.491,82.531 192.684,82.531 192.684,78.562 193.218,78.029 193.218,75.937 193.421,75.733 194.453,75.733 194.666,75.946 194.666,79.124 194.749,79.207 194.749,79.919 195.209,80.379 R35.1@195.472,80.379
NetIC9_7: IC9.7 R34.1 | length 2.4
  Top Layer w0.203: IC9.7@196.891,83.831 197.764,83.831 198.232,84.298 R34.1@199.11,84.298
NetIC10_1: IC10.1 R38.1 | length 31.9
  Top Layer w0.203: R38.1@219.71,103.52 219.71,102.972 219.1,102.972 218.745,102.616 218.745,98.044 219.304,97.485 224.942,97.485 225.501,98.044 225.501,111.506 224.765,112.243 222.25,112.243 221.808,111.801 IC10.1@221.808,110.97
NetIC10_2: IC10.2 R39.2 | length 2.4
  Top Layer w0.203: R39.2@221.873,108.966 222.119,108.966 222.458,109.306 IC10.2@222.458,110.97
NetIC10_3: IC10.3 R39.1 | length 2
  Top Layer w0.203: IC10.3@223.108,110.97 223.108,109.996 223.173,109.931 R39.1@223.173,108.966
NetIC10_4: IC10.4 R41.1 | length 8.2
  Top Layer w0.203: IC10.4@223.758,110.97 223.758,110.49 224.104,110.144 224.104,103.698 224.282,103.52 R41.1@224.79,103.52
NetIC10_7: IC10.7 R40.1 | length 4
  Top Layer w0.203: R40.1@219.979,115.316 219.979,114.808 220.36,114.427 222.331,114.427 222.458,114.554 IC10.7@222.458,115.37
NetIC11_4: IC11.4 Y1.1 | length 2.5
  Bottom Layer w0.203: IC11.4@200.914,169.672 201.555,169.031 Y1.1@203.148,169.031
NetJ4_1: J4.1 RE2.1 TP5.1 | length 82.5
  Top Layer w0.203: J4.1@36.877,69.469 38.227,70.819 TP5.1@38.227,86.614 39.141,87.528 39.141,125.273 37.211,127.203 RE2.1@37.211,150.241
NetL2_1: L2.1 R7.2 | length 1.7
  Top Layer w0.203: R7.2@109.489,156.337 L2.1@111.214,156.337
NetLED1_1: LED1.1 R1.2 | length 2.8
  Top Layer w0.203: LED1.1@76.073,197.116 76.073,195.888 76.33,195.631 R1.2@76.33,194.437
NetLED2_1: LED2.1 R11.2 | length 3.4
  Top Layer w0.203: R11.2@152.53,157.607 154.102,157.607 154.229,157.734 LED2.1@155.841,157.734
NetLED3_1: LED3.1 R12.2 | length 3.7
  Top Layer w0.203: R12.2@152.403,160.211 154.203,160.211 154.268,160.147 LED3.1@156.095,160.147
NetLED4_1: LED4.1 Q1.1 | length 5
  Bottom Layer w0.203: LED4.1@86.438,157.898 86.438,161.798 86.822,162.182 Q1.1@87.386,162.182
NetM1_1: 
NetM1_2: 
NetM1_3: 
NetQ1_2: Q1.2 R15.1 | length 5.4
  Bottom Layer w0.203: R15.1@85.728,164.543 85.728,164.567 86.792,164.567 87.96,163.398 87.96,161.385 87.757,161.182 Q1.2@87.386,161.182
NetQ1_3: Q1.3 R13.1 R14.1 | length 8.6
  Bottom Layer w0.203: Q1.3@88.89,161.682 91.962,161.682 92.84,162.56 R14.1@92.84,164.592 R13.1@95.12,164.592
NetQ2_1: Q2.1 R17.1 | length 2.3
  Bottom Layer w0.203: Q2.1@79.002,150.632 79.002,149.725 79.375,149.352 R17.1@79.375,148.466
NetQ2_2: Q2.2 R16.1 | length 6.1
  Bottom Layer w0.203: Q2.2@80.002,150.632 81.015,149.619 83.709,149.619 R16.1@85.093,151.003
NetR18_1: R18.1 R19.2 | length 6.9
  Top Layer w0.203: R19.2@79.883,94.231 80.95,95.298 80.95,99.133 R18.1@79.883,100.2
NetR20_1: R20.1 R21.2 | length 3.2
  Top Layer w0.203: R21.2@85.019,97.031 R20.1@85.019,100.2
NetR22_1: R22.1 R23.2 | length 6.8
  Top Layer w0.203: R23.2@90.155,94.231 91.211,95.287 91.211,99.144 R22.1@90.155,100.2
NetR24_1: R24.1 R25.2 | length 3.2
  Top Layer w0.203: R25.2@95.291,97.031 R24.1@95.291,100.2
NRST: C24.2 D3.1 IC1.14 IC2.3 J3.5 R9.2 SW1.3 SW1.4 | length 82.1
  Top Layer w0.203: C24.2@100.544,176.53 101.092,176.53 101.092,171.602 100.965,171.475 D3.1@100.711,171.475 ; D3.1@100.711,171.481 D3.1@100.711,171.475 ; v1(104.318,180.391) 101.194,177.267 101.194,171.602 102.434,170.362 ; v1(110.338,165.735) 110.338,170.362 SW1.4@110.061,170.362 SW1.3@104.061,170.362 102.434,170.362 ; v1(117.704,164.617) 117.721,164.6 IC1.14@118.787,164.6 ; R9.2@133.604,179.847 J3.5@133.604,182.196 133.604,186.868 134.704,187.968 136.383,187.968 IC2.3@136.383,188.275 ; D3.1@100.711,171.475 100.711,171.196 101.545,170.362 102.434,170.362
  Bottom Layer w0.203: v1(104.318,180.391) 131.799,180.391 J3.5@133.604,182.196 ; v1(110.338,165.735) 111.455,164.617 v1(117.704,164.617)
SWCLK: IC1.76 IC2.5 J3.2 R26.2 | length 23.1
  Top Layer w0.203: IC1.76@132.524,172.838 132.524,175.882 v1(133.121,176.479) ; IC2.5@137.683,186.375 137.683,185.737 J3.2@141.224,182.196 141.971,181.449 R26.2@141.971,179.451
  Bottom Layer w0.203: v1(133.121,176.479) 135.507,176.479 J3.2@141.224,182.196
SWDIO: IC1.72 IC2.1 IC2.4 J3.4 R8.2 | length 48.3
  Top Layer w0.203: IC1.72@134.263,169.6 135.048,169.6 135.941,168.707 135.941,166.065 136.568,165.438 140.876,165.438 143.942,168.504 143.942,180.162 142.723,181.381 142.723,186.436 141.935,187.223 137.912,187.223 137.683,187.452 ; R8.2@136.129,179.197 136.129,180.67 136.144,180.685 J3.4@136.144,182.196 136.144,184.15 136.383,184.389 IC2.4@136.383,186.375 136.383,187.071 137.175,187.071 137.683,187.452 ; IC2.1@137.683,188.275 137.683,187.452
SWO: IC1.89 J3.6 R10.2 | length 13.8
  Top Layer w0.203: IC1.89@126.024,172.838 126.024,174.318 126.535,174.828 126.535,179.324 127.058,179.847 R10.2@131.064,179.847 J3.6@131.064,182.196
TP_VOUT_N: C50.1 IC8.2 R41.2 | length 8.1
  Top Layer w0.254: C50.1@223.052,106.299 223.052,105.456 223.512,104.996 223.512,102.664 223.956,102.22 R41.2@224.79,102.22 224.79,100.889 224.663,100.762 IC8.2@224.663,99.436
TP_VOUT_P: C50.2 IC8.4 R38.2 | length 9.4
  Top Layer w0.254: IC8.4@219.583,99.436 219.583,100.762 219.71,100.889 R38.2@219.71,102.22 v1(220.736,102.22) ; C50.2@221.702,106.299 221.702,105.78 v1(222.999,104.483)
  Bottom Layer w0.254: v1(220.736,102.22) v1(222.999,104.483)
VBAT: D1.1 RE1.5 TP2.1 | length 45.6
  Top Layer w0.203: v1(57.912,184.683) 57.912,202.24 58.237,202.565 D1.1@58.237,202.946 58.237,206.197 58.42,206.38 TP2.1@58.42,209.677
  Bottom Layer w0.203: v1(57.912,184.683) 58.75,183.845 58.75,183.39 RE1.5@72.013,170.127
VDD_MCU: C6.1 C7.1 C8.1 C9.1 C10.1 C12.1 C13.1 C14.1 C15.1 C16.1 C18.1 C19.1 C20.1 C21.1 C22.1 IC1.11 IC1.19 IC1.28 IC1.50 IC1.75 IC1.100 J3.1 R2.2 R4.1 R5.2 R7.1 | length 191.5
  Top Layer w0.203: v1(89.129,182.931) 91.978,185.78 R5.2@91.978,192.024 ; R7.1@108.189,156.337 108.189,157.048 112.852,161.711 112.852,167.503 115.301,169.951 R4.1@115.301,170.431 ; IC1.19@118.787,162.1 117.76,162.1 117.069,161.408 C13.1@116.72,161.408 C8.1@116.72,163.213 116.72,166.1 ; v1(119.507,182.931) 119.507,180.111 ; v1(123.469,184.074) 119.507,180.111 ; C6.1@123.545,175.22 124.485,175.22 124.525,175.18 C21.1@125.476,175.18 125.476,175.717 125.603,175.844 126.205,175.844 v1(126.205,184.074) ; v1(123.825,152.4) 123.825,154.508 123.353,154.98 C9.1@122.708,154.98 C14.1@120.904,154.98 120.904,155.55 121.525,156.17 IC1.28@121.525,157.362 121.525,165.073 120.498,166.1 IC1.11@118.787,166.1 116.72,166.1 ; C18.1@133.223,150.876 v1(133.223,151.714) C15.1@133.223,153.035 C10.1@133.223,155.067 133.223,155.918 132.524,156.616 IC1.50@132.524,157.362 132.524,160.02 132.182,160.363 132.182,170.48 132.801,171.1 IC1.75@134.263,171.1 136.144,171.1 136.345,171.301 C16.1@136.345,171.755 C19.1@138.15,171.755 ; C22.1@138.47,166.497 138.47,168.112 138.633,168.275 138.633,170.586 138.15,171.069 C19.1@138.15,171.755 ; C20.1@139.954,171.755 C19.1@138.15,171.755 ; R4.1@115.301,170.431 R4.1@115.301,170.434 115.301,171.562 115.824,172.085 120.525,172.085 IC1.100@120.525,172.838 120.525,174.193 118.796,175.922 118.796,178.689 118.938,178.831 R2.2@119.507,178.831 119.507,180.111 ; R4.1@115.301,170.431 116.209,169.523 116.209,168.529 C12.1@116.72,168.529 C7.1@116.72,166.725 116.72,166.1
  Bottom Layer w0.203: v1(89.129,182.931) v1(119.507,182.931) ; v1(123.469,184.074) v1(126.205,184.074) 141.886,184.074 J3.1@143.764,182.196 ; v1(123.825,152.4) 132.537,152.4 v1(133.223,151.714)
Vin: B1.1 C3.2 C17.1 C29.1 C31.1 C35.1 C37.1 C41.1 D2.1 D5.1 D6.1 IC4.8 L3.1 L4.1 L5.1 L6.1 L7.1 PS1.2 PS1.3 R13.2 RE1.1 RE2.2 RE2.3 TP4.1 | length 408.9
  Top Layer w0.203: RE2.3@51.411,144.241 54.673,147.503 D5.1@62.103,147.503 67.564,147.503 ; D2.1@58.82,193.421 58.82,190.94 RE1.1@61.853,187.907 61.853,176.627 71.247,167.234 71.247,155.296 71.12,155.169 70.282,155.169 68.097,152.984 68.097,148.036 67.564,147.503 ; v1(64.516,195.174) 64.516,202.336 64.872,202.692 PS1.2@65.465,202.692 PS1.3@65.465,203.642 65.465,204.724 65.585,204.844 C3.2@65.585,205.946 65.585,206.682 TP4.1@67.945,209.042 69.088,207.899 L4.1@88.074,207.899 88.074,203.006 87.989,202.921 C31.1@87.989,198.073 89.916,198.073 90.653,197.336 90.653,196.088 93.289,193.452 D6.1@93.289,183.515 93.289,179.702 IC4.8@92.628,179.041 94.488,179.041 94.996,178.533 C17.1@94.996,177.626 96.745,177.626 v1(98.984,175.387) ; v1(71.552,133.452) 71.552,143.795 67.564,147.503 ; v1(115.418,174.879) 115.506,174.967 C37.1@115.506,198.882 ; L6.1@115.506,207.899 115.506,205.003 ; C35.1@170.158,200.226 170.158,203.81 170.243,203.895 L5.1@170.243,207.518 ; C41.1@198.225,199.39 198.225,203.2 ; L7.1@198.437,207.264 198.437,203.412 198.225,203.2 ; C37.1@115.506,198.882 117.754,198.882 118.059,198.577 118.059,195.428 123.723,189.763 137.084,189.763 143.234,195.914 C29.1@143.234,200.406 143.256,200.406 143.256,201.358 143.065,201.549 L3.1@143.065,207.899 143.065,210.82 143.243,210.998 169.672,210.998 170.167,210.502 ; C37.1@115.506,198.882 C37.1@115.421,198.882 115.421,204.918 115.506,205.003 ; C37.1@115.506,198.882 115.506,205.003 ; 170.167,210.502 170.243,210.427 L5.1@170.243,207.518 ; 170.167,210.502 170.688,211.023 197.612,211.023 198.225,210.41 198.225,203.2 ; 170.167,210.502 L5.1@170.243,207.518
  Bottom Layer w0.203: RE2.2@39.211,144.241 RE2.3@51.411,144.241 ; RE1.1@61.853,187.907 61.853,192.511 v1(64.516,195.174) ; v1(71.552,133.452) 74.6,136.5 85.447,136.5 B1.1@87.2,134.747 ; R13.2@97.92,164.592 97.92,165.608 ; v1(98.984,175.387) 97.92,174.323 97.92,165.608 ; v1(115.418,174.879) 107.191,174.879 97.92,165.608
pads on no net: C29. C31. C35. C37. C41. IC1.1 IC1.2 IC1.3 IC1.4 IC1.5 IC1.7 IC1.8 IC1.9 IC1.12 IC1.13 IC1.15 IC1.16 IC1.17 IC1.18 IC1.23 IC1.24 IC1.25 IC1.26 IC1.33 IC1.47 IC1.60 IC1.61 IC1.62 IC1.63 IC1.64 IC1.65 IC1.77 IC1.90 IC1.95 IC1.96 IC1.97 IC1.98 IC4.4 IC4.5 IC5.1 IC5.5 IC5.6 IC5.7 IC5.8 IC6.1 IC6.5 IC6.6 IC6.7 IC6.8 IC7. IC8.5 IC8.6 IC8.7 IC8.8 IC11.18 R36.2 R42.2 SW2.MH1 SW2.MH2 SW3.MH1 SW3.MH2 SW4.MH1 SW4.MH2 SW5.MH1 SW5.MH2 SW6.MH1 SW6.MH2 SW7.MH1 SW7.MH2 Y1.3

## Silkscreen, mask and mechanical layers (free items; w line width, h text height)
Top Overlay:
  text "BAT Vf" at 56.388,211.201 h1.27
  text "Vin" at 66.294,210.947 h1.27
  text "BAT/12V" at 43.561,210.185 h1.27
  text "BATTERY INPUT" at 35.56,205.74 h3.17 r270
  text "3V3" at 75.184,204.724 h1.27
  text "POWER SUPPLY IN" at 35.687,188.722 h3.17 r270
  text "5V_ISO3" at 127.254,188.214 h1.27
  text "5V_ISO2" at 160.655,186.817 h1.27
  text "5V_ISO4" at 189.484,186.69 h1.27
  text "5V_ISO1" at 106.788,186.309 h1.27
  text "5V_REG" at 214.757,185.801 h1.27
  text "12V_REG" at 79.502,184.404 h1.27
  text "PNEUMVENT" at 173.482,184.097 h12.7 r270
  text "SWO-NRST-SWDIO-COM-SWCLK-VDD" at 123.19,183.896 h2.03
  text "FLOW SENSOR 2" at 207.264,148.59 h3.17 r90
  text "FLOW SENSOR 1" at 214.757,119.888 h3.17 r90
  text "LUNG PRESSURE" at 184.658,93.218 h3.17
  text "COMPR" at 37.846,88.646 h1.27
  text "TANK PRESSURE" at 212.725,81.026 h3.17 r90
  text "COMPRESSOR" at 28.067,80.137 h3
  text "O2 VALVE" at 53.975,79.883 h3.17
  text "AIR VALVE" at 70.489,79.883 h3.17
  text "INHALE" at 89.027,79.883 h3.17
  text "EXHALE" at 108.585,79.883 h3.17